# Altium PCB BLDC_DRIVER_1.1_auto.PcbDoc (part 2 of 3)
Units mm, origin at the board's own origin, x right, y up, seen from the top; angles counter-clockwise.
Board outline 152.4 x 126.75 mm, 4 copper layers (Top Layer, Signal Layer 1, Signal Layer 2, Bottom Layer), stack 0.847 mm thick; 192 components, 186 nets, 852 pads, 371 vias.
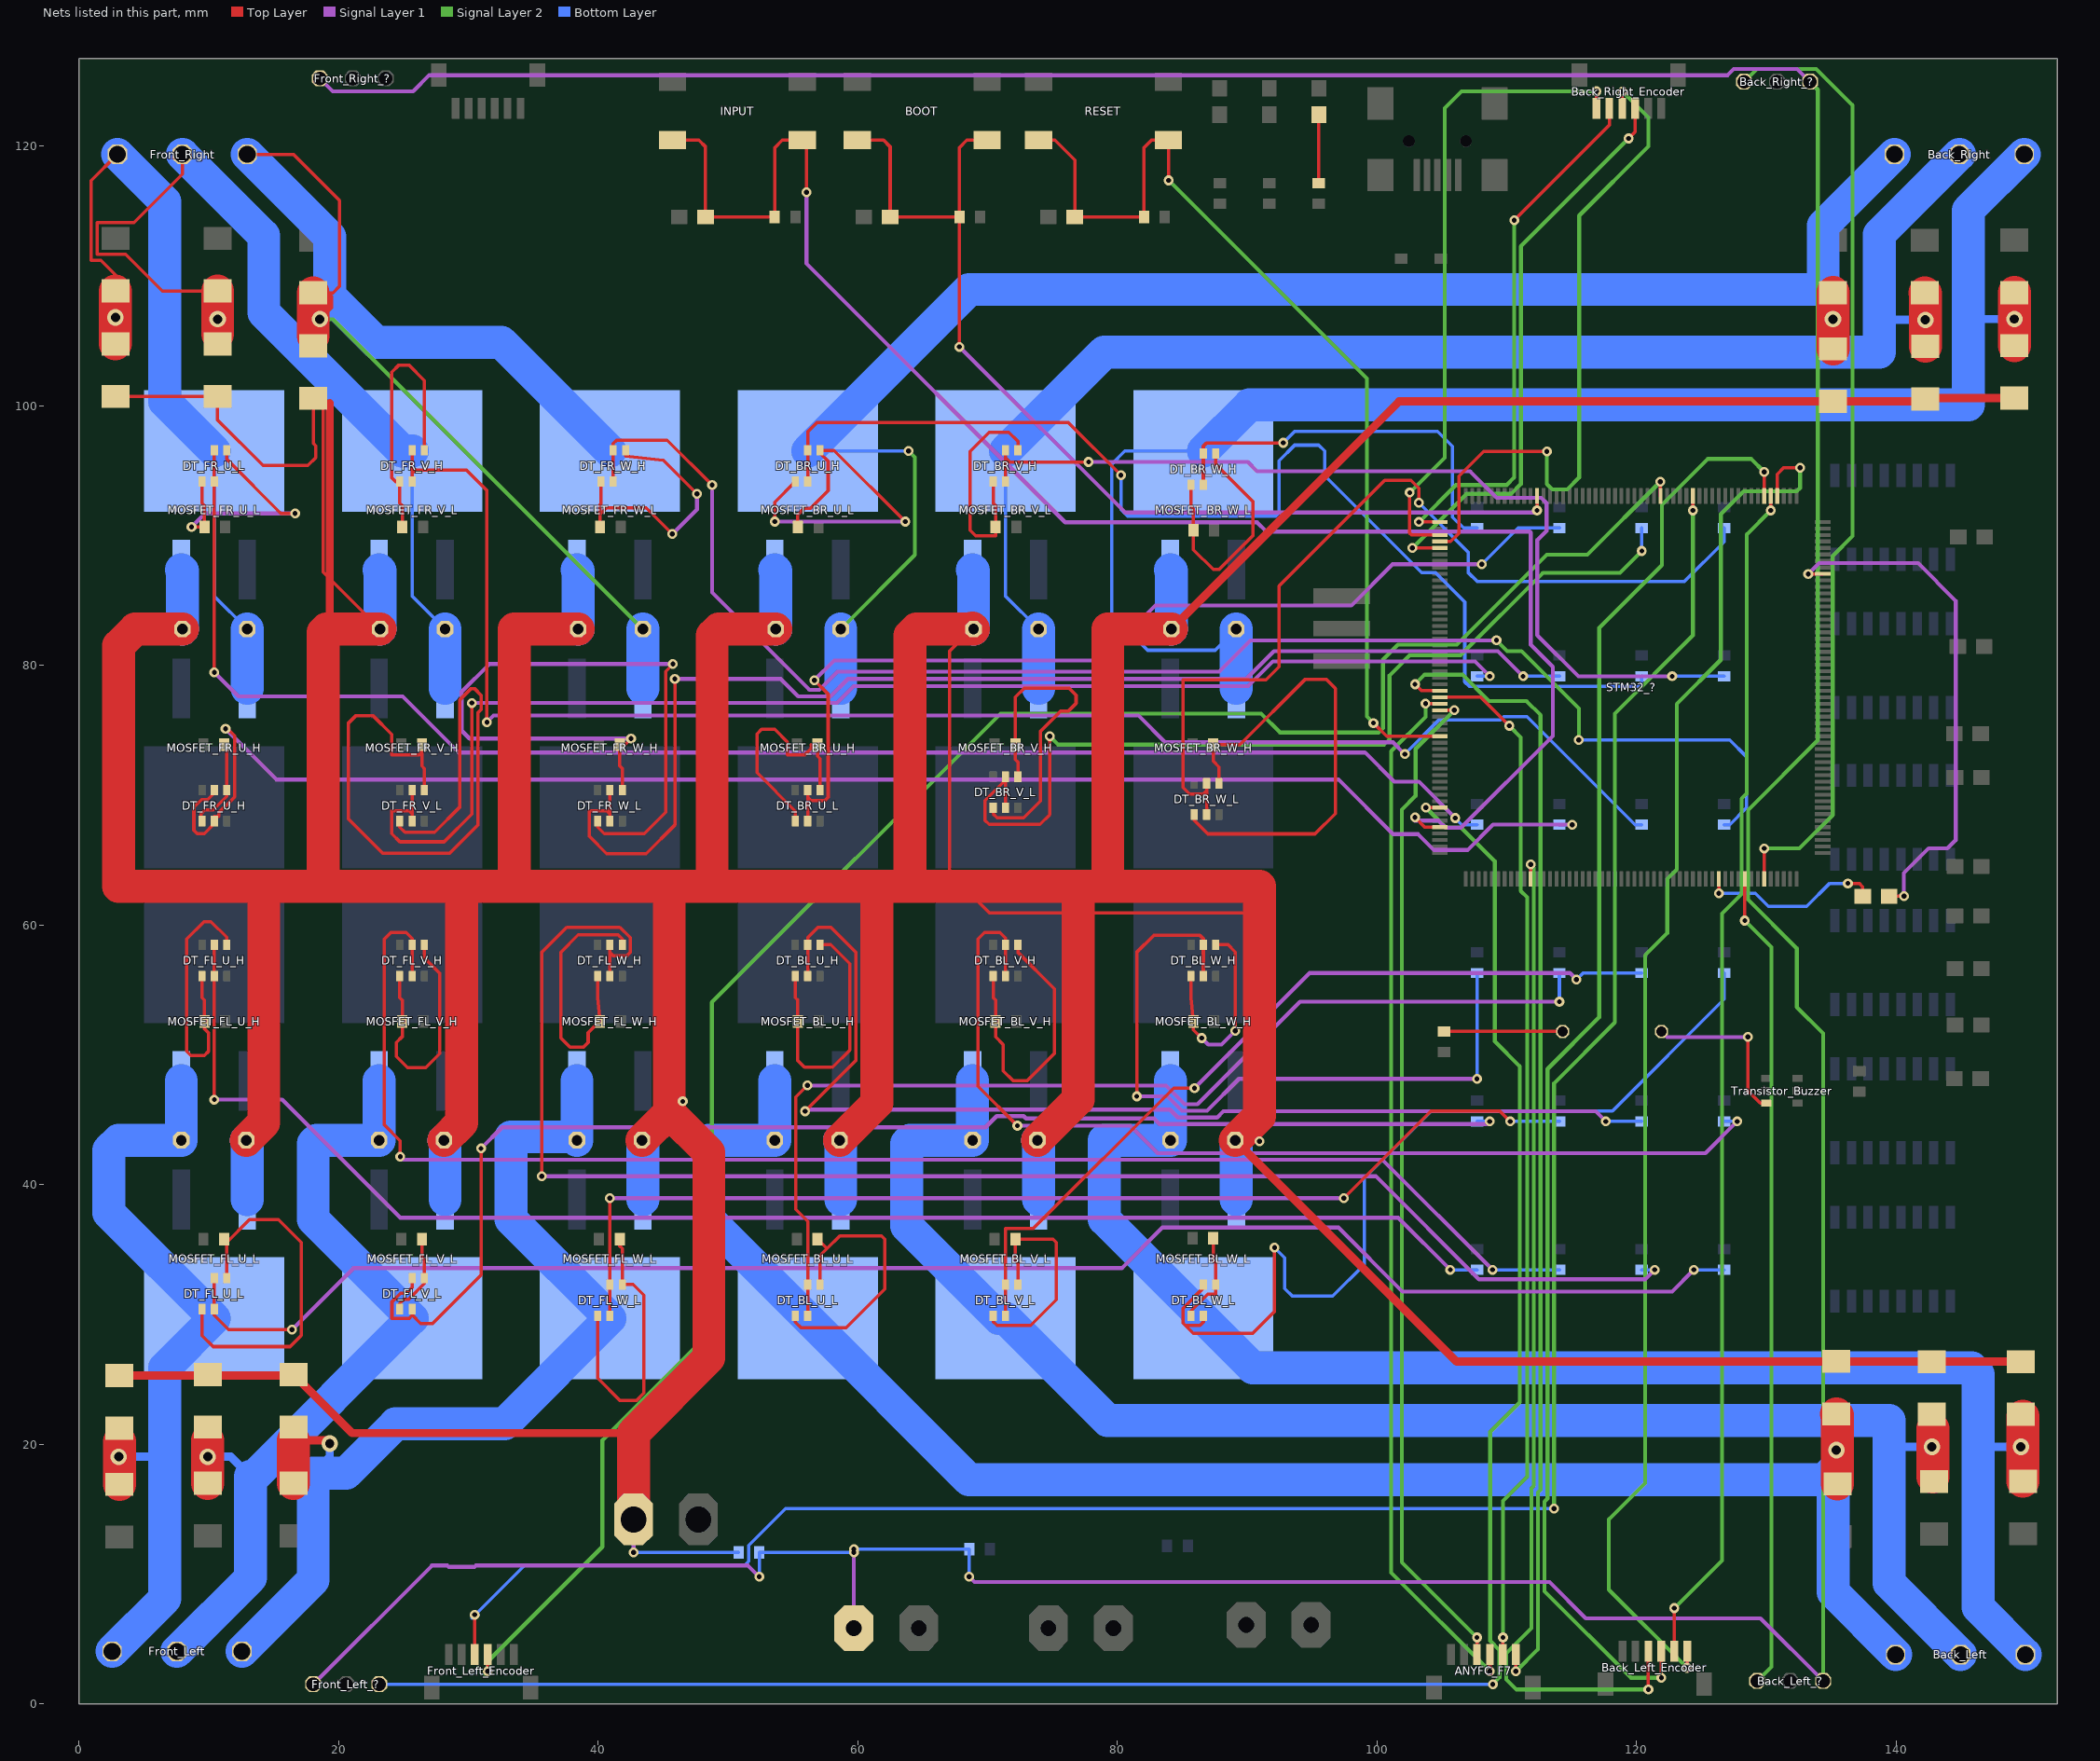
[diagram p4: the nets of this part, all layers, seen from the top]

## Via types
v1: diameter 0.762, hole 0.381, Top Layer to Bottom Layer, 350 vias
v2: diameter 1.27, hole 0.711, Top Layer to Bottom Layer, 11 vias
v3: diameter 4.064, hole 4.064, Top Layer to Bottom Layer, 4 vias
v4: diameter 1.27, hole 0.711, Top Layer to Bottom Layer, tented both sides, 3 vias
v5: diameter 1.5, hole 1.2, Top Layer to Bottom Layer, 2 vias
v6: diameter 2.54, hole 0.711, Top Layer to Bottom Layer, 1 vias

## Nets (pads, with @x,y where several pads share a name; then routed paths per layer and width w, separated by ;. In a path a pad name is that pad's centre, name@x,y a point inside that pad or via, vN(x,y) a via of type N, cw(c..) or ccw(c..) an arc to the next point about the centre after c; other vN are vias at no path point) (continued)
GND_MOTOR: C_BL_U.2 C_BL_V.2 C_BL_W.2 C_BR_U.2 C_BR_V.2 C_BR_W.2 C_FL_U.2 C_FL_V.2 C_FL_W.2 C_FR_U.2 C_FR_V.2 C_FR_W.2 MOSFET_BL_U_L.S MOSFET_BL_V_L.S MOSFET_BL_W_L.S MOSFET_BR_U_L.S MOSFET_BR_V_L.S MOSFET_BR_W_L.S MOSFET_FL_U_L.S MOSFET_FL_V_L.S MOSFET_FL_W_L.S MOSFET_FR_U_L.S MOSFET_FR_V_L.S MOSFET_FR_W_L.S MOTOR_Supply.1 R_GND_MOT_SERV.1 Schottky_diode_BL_U_L.1 Schottky_diode_BL_V_L.1 Schottky_diode_BL_W_L.1 Schottky_diode_BR_U_L.1 Schottky_diode_BR_V_L.1 Schottky_diode_BR_W_L.1 Schottky_diode_FL_U_L.1 Schottky_diode_FL_V_L.1 Schottky_diode_FL_W_L.1 Schottky_diode_FR_U_L.1 Schottky_diode_FR_V_L.1 Schottky_diode_FR_W_L.1 | length 860.5
  Top Layer w0.254: Schottky_diode_FR_U_L.1@2.794,100.725 Schottky_diode_FR_V_L.1@10.668,100.725 10.668,98.908 14.173,95.402 17.628,95.402 18.237,96.012 18.237,96.926 18.034,97.13 Schottky_diode_FR_W_L.1@18.034,100.584 18.288,100.584 Schottky_diode_FR_W_L.1@18.655,100.217 ; Schottky_diode_FL_V_L.1@9.906,25.386 Schottky_diode_FL_W_L.1@16.51,25.386 ; Schottky_diode_FR_W_L.1@18.796,100.076 18.796,87.202 19.304,86.694 ; 19.304,100.217 19.304,86.694 ; C_FR_V.2@23.194,82.804 19.304,86.694 ; v1(46.507,46.427) 46.507,60.147 44.704,61.951 21.819,61.951 19.304,64.465 19.304,83.058 19.304,86.694 ; C_BR_V.2@68.834,82.884 67.056,81.106 67.056,64.008 70.104,60.96 89.916,60.96 90.932,59.944 90.932,45.292 v1(90.932,43.354) ; Schottky_diode_BL_U_L.1@135.382,26.402 139.04,26.402 139.069,26.373 Schottky_diode_BL_V_L.1@142.743,26.373
  Top Layer w0.635: Schottky_diode_FL_U_L.1@3.102,25.299 16.423,25.299 Schottky_diode_FL_W_L.1@16.51,25.386 21.028,20.868 42.712,20.868 ; Schottky_diode_FR_W_L.1@18.655,100.217 Schottky_diode_FR_W_L.1@18.796,100.076 ; 18.796,82.55 19.05,82.804 19.304,83.058 19.304,100.217 ; C_BR_W.2@84.154,82.804 101.694,100.344 Schottky_diode_BR_U_L.1@135.128,100.344 142.045,100.344 Schottky_diode_BR_V_L.1@142.24,100.539 142.299,100.598 Schottky_diode_BR_W_L.1@149.098,100.598 ; C_BL_W.2@89.074,43.434 106.135,26.373 Schottky_diode_BL_V_L.1@142.743,26.373 Schottky_diode_BL_W_L.1@149.601,26.373
  Top Layer w2.54: C_FR_U.2@7.954,82.804 4.318,82.804 3.048,81.534 3.048,62.992 14.224,62.992 ; C_FL_U.2@12.874,43.434 14.224,44.784 14.224,62.992 ; 18.796,82.55 18.796,62.992 ; 19.05,82.804 C_FR_V.2@23.194,82.804 ; C_FL_V.2@28.114,43.434 29.464,44.784 29.464,62.992 ; C_FR_W.2@38.434,82.804 33.528,82.804 33.528,62.992 ; MOTOR_Supply.1@42.712,14.478 42.712,20.868 48.514,26.67 48.514,42.498 45.466,45.546 ; C_FL_W.2@43.354,43.434 45.466,45.546 ; C_BR_U.2@53.674,82.804 49.276,82.804 48.768,82.296 48.768,62.992 ; C_BL_U.2@58.594,43.434 61.468,46.308 61.468,62.992 ; C_BR_V.2@68.834,82.884 C_BR_V.2@68.914,82.804 64.516,82.804 64.008,82.296 64.008,62.992 ; C_BL_V.2@73.834,43.434 76.962,46.562 76.962,62.992 ; C_BR_W.2@84.154,82.804 79.248,82.804 79.248,62.992 ; C_BL_W.2@89.074,43.434 90.932,45.292 90.932,62.992 79.248,62.992 ; 14.224,62.992 18.796,62.992 ; 18.796,62.992 29.464,62.992 ; 29.464,62.992 33.528,62.992 ; 33.528,62.992 45.466,62.992 ; 45.466,45.546 45.466,62.992 ; 45.466,62.992 48.768,62.992 ; 48.768,62.992 61.468,62.992 ; 61.468,62.992 64.008,62.992 ; 64.008,62.992 76.962,62.992 ; 76.962,62.992 79.248,62.992
  Signal Layer 1 w0.305: v1(42.712,11.684) MOTOR_Supply.1@42.712,14.478
  Bottom Layer w0.254: v1(42.712,11.684) R_GND_MOT_SERV.1@50.8,11.684 ; C_FL_W.2@43.434,43.354 v1(46.507,46.427) ; C_BL_W.2@89.154,43.354 v1(90.932,43.354)
  Bottom Layer w2.54: MOSFET_FR_U_L.S@7.874,87.376 7.954,87.296 C_FR_U.2@7.954,82.804 ; C_FL_U.2@12.874,43.434 12.954,43.354 MOSFET_FL_U_L.S@12.954,38.862 ; MOSFET_FR_V_L.S@23.114,87.376 23.194,87.296 C_FR_V.2@23.194,82.804 ; C_FL_V.2@28.114,43.434 28.194,43.354 MOSFET_FL_V_L.S@28.194,38.862 ; MOSFET_FR_W_L.S@38.354,87.376 38.434,87.296 C_FR_W.2@38.434,82.804 ; MOSFET_FL_W_L.S@43.434,38.862 C_FL_W.2@43.434,43.354 ; MOSFET_BR_U_L.S@53.594,87.376 53.674,87.296 C_BR_U.2@53.674,82.804 ; C_BL_U.2@58.594,43.434 58.674,43.354 MOSFET_BL_U_L.S@58.674,38.862 ; MOSFET_BR_V_L.S@68.834,87.376 68.914,87.296 C_BR_V.2@68.914,82.804 ; C_BL_V.2@73.834,43.434 73.914,43.354 MOSFET_BL_V_L.S@73.914,38.862 ; MOSFET_BR_W_L.S@84.074,87.376 84.154,87.296 C_BR_W.2@84.154,82.804 ; MOSFET_BL_W_L.S@89.154,38.862 C_BL_W.2@89.154,43.354
GND_SERVO: Back_Left_?.1 Back_Right_?.1 Front_Left_?.1 Front_Right_?.1 R_GND_MOT_SERV.2 R_GND_SERV_5V.1 Servo_Supply.1 | length 378.4
  Signal Layer 1 w0.305: Front_Left_?.1@18.034,1.524 27.178,10.668 28.373,10.668 28.475,10.566 30.453,10.566 30.555,10.668 51.537,10.668 v1(52.4,9.804) ; Front_Right_?.1@18.542,125.222 19.533,124.231 25.73,124.231 26.975,125.476 127,125.476 127.483,125.959 132.359,125.959 Back_Right_?.1@133.35,124.968 ; Servo_Supply.1@59.69,5.842 v1(59.69,11.684) v1(59.69,11.938) ; v1(68.58,9.804) 68.986,9.398 113.284,9.398 116.078,6.604 129.54,6.604 Back_Left_?.1@134.366,1.778
  Signal Layer 2 w0.305: Back_Right_?.1@133.35,124.968 133.96,124.358 133.96,74.244 128.585,68.87 128.585,61.965 132.334,58.217 132.334,53.696 134.366,51.664 Back_Left_?.1@134.366,1.778
  Bottom Layer w0.254: v1(52.4,9.804) R_GND_MOT_SERV.2@52.4,11.684 v1(59.69,11.684) ; v1(59.69,11.938) R_GND_SERV_5V.1@68.58,11.938 v1(68.58,9.804)
NetANYFC_F7_3: ANYFC_F7.3 STM32_?.30 | length 77.9
  Top Layer w0.254: STM32_?.30@104.83,76.556 v1(105.943,76.556) ; ANYFC_F7.3@107.694,3.82 107.694,5.129 v1(107.696,5.131)
  Signal Layer 2 w0.305: v1(105.943,76.556) 102.972,73.584 102.972,69.964 101.905,68.897 101.905,10.922 v1(107.696,5.131)
NetANYFC_F7_4: ANYFC_F7.4 STM32_?.29 | length 81.2
  Top Layer w0.254: v1(103.734,77.056) STM32_?.29@104.83,77.056 ; v1(108.687,2.522) 108.694,2.529 ANYFC_F7.4@108.694,3.82
  Signal Layer 2 w0.305: v1(103.734,77.056) 103.734,76.042 101.092,73.4 101.092,10.117 v1(108.687,2.522)
NetANYFC_F7_5: ANYFC_F7.5 STM32_?.28 | length 79.2
  Top Layer w0.254: STM32_?.28@104.83,77.556 107.991,77.556 v1(110.185,75.362) ; ANYFC_F7.5@109.694,3.82 109.694,5.122 v1(109.703,5.131)
  Signal Layer 2 w0.305: v1(109.703,5.131) 109.703,15.646 111.569,17.513 111.569,62.141 111.074,62.636 111.074,74.473 v1(110.185,75.362)
NetANYFC_F7_6: ANYFC_F7.6 STM32_?.27 | length 89.1
  Top Layer w0.254: v1(102.919,78.56) 103.423,78.056 STM32_?.27@104.83,78.056 ; v1(110.693,2.519) ANYFC_F7.6@110.694,3.82
  Signal Layer 2 w0.305: v1(102.919,78.56) 103.657,79.299 106.578,79.299 108.61,77.267 111.506,77.267 112.598,76.175 112.598,16.51 112.395,16.307 112.395,4.22 v1(110.693,2.519)
NetB_1: B.1 R180_LED_B.2 | length 5.3
  Top Layer w0.254: R180_LED_B.2@95.504,117.17 B.1@95.504,122.428
NetBack_Left_1: Back_Left.1 C_BL_U.1 MOSFET_BL_U_H.S MOSFET_BL_U_L.D Schottky_diode_BL_U_H.1 Schottky_diode_BL_U_L.2 | length 134.6
  Top Layer w2.54: Schottky_diode_BL_U_L.2@135.382,22.352 135.474,22.26 Schottky_diode_BL_U_H.1@135.474,16.955
  Bottom Layer w0.635: 133.604,17.272 133.604,17.78 v2(135.382,19.558)
  Bottom Layer w2.54: MOSFET_BL_U_H.S@53.594,48.006 C_BL_U.1@53.594,43.434 48.514,43.434 48.514,37.332 MOSFET_BL_U_L.D@56.134,29.712 68.574,17.272 133.604,17.272 135.128,17.272 135.128,8.636 Back_Left.1@139.954,3.81
NetBack_Left_2: Back_Left.2 C_BL_V.1 MOSFET_BL_V_H.S MOSFET_BL_V_L.D Schottky_diode_BL_V_H.1 Schottky_diode_BL_V_L.2 | length 127.4
  Top Layer w0.254: Schottky_diode_BL_V_L.2@142.743,22.323 142.545,22.323 142.545,21.214 142.822,21.214 ; Schottky_diode_BL_V_H.1@142.822,17.486 142.928,17.486 Schottky_diode_BL_V_H.1@142.928,17.14
  Top Layer w2.54: Schottky_diode_BL_V_H.1@142.822,17.486 142.822,21.214
  Bottom Layer w0.635: 139.446,19.812 v2(142.748,19.812)
  Bottom Layer w2.54: MOSFET_BL_V_H.S@68.834,48.006 C_BL_V.1@68.834,43.434 64.008,43.434 63.754,43.18 63.754,36.83 70.872,29.712 MOSFET_BL_V_L.D@71.374,29.712 79.242,21.844 139.446,21.844 139.446,19.812 139.446,9.318 Back_Left.2@144.954,3.81
NetBack_Left_3: Back_Left.3 C_BL_W.1 MOSFET_BL_W_H.S MOSFET_BL_W_L.D Schottky_diode_BL_W_H.1 Schottky_diode_BL_W_L.2 | length 119.7
  Top Layer w0.254: Schottky_diode_BL_W_L.2@149.601,22.323 149.761,22.323 Schottky_diode_BL_W_L.2@149.761,22.163
  Top Layer w2.54: Schottky_diode_BL_W_H.1@149.761,17.16 Schottky_diode_BL_W_L.2@149.761,22.163
  Bottom Layer w0.635: 146.304,19.812 v2(149.606,19.812)
  Bottom Layer w2.54: MOSFET_BL_W_H.S@84.074,48.006 C_BL_W.1@84.074,43.434 78.994,43.434 78.994,37.332 MOSFET_BL_W_L.D@86.614,29.712 90.418,25.908 145.796,25.908 146.304,25.4 146.304,19.812 146.304,7.46 Back_Left.3@149.954,3.81
NetBack_Left_?_3: Back_Left_?.3 STM32_?.96 | length 63.1
  Top Layer w0.254: v1(128.33,60.35) STM32_?.96@128.33,63.556
  Signal Layer 2 w0.305: v1(128.33,60.35) 130.378,58.302 130.378,2.87 Back_Left_?.3@129.286,1.778
NetBack_Left_Encoder_3: Back_Left_Encoder.3 STM32_?.63 | length 79.1
  Top Layer w0.254: STM32_?.63@111.83,63.556 111.83,64.662 v1(111.836,64.668) ; v1(120.902,1.118) Back_Left_Encoder.3@120.902,4.074
  Signal Layer 2 w0.305: v1(111.836,64.668) 112.078,64.427 112.078,16.815 111.887,16.624 111.887,5.842 109.957,3.912 109.957,1.905 110.744,1.118 v1(120.902,1.118)
NetBack_Left_Encoder_4: Back_Left_Encoder.4 STM32_?.162 | length 112.9
  Top Layer w0.254: v1(121.902,2.029) Back_Left_Encoder.4@121.902,4.074 ; STM32_?.162@129.83,93.056 v1(129.83,94.909)
  Signal Layer 2 w0.305: v1(121.902,2.029) 119.56,2.029 112.903,8.687 112.903,15.596 113.132,15.824 113.132,48.92 117.119,52.908 117.119,82.906 121.943,87.729 121.943,92.378 125.476,95.91 128.829,95.91 v1(129.83,94.909)
NetBack_Left_Encoder_5: Back_Left_Encoder.5 STM32_?.161 | length 92.1
  Top Layer w0.254: Back_Left_Encoder.5@122.902,4.074 v1(122.902,7.391) ; v1(130.327,91.948) 130.33,91.951 STM32_?.161@130.33,93.056
  Signal Layer 2 w0.305: v1(122.902,7.391) 126.568,11.058 126.568,60.884 128.077,62.393 128.077,69.748 128.473,70.144 128.473,90.094 v1(130.327,91.948)
NetBack_Left_Encoder_6: Back_Left_Encoder.6 STM32_?.160 | length 108.4
  Top Layer w0.254: v1(123.876,2.794) 123.902,2.82 Back_Left_Encoder.6@123.902,4.074 ; STM32_?.160@130.83,93.056 130.83,94.742 131.313,95.225 v1(132.588,95.225)
  Signal Layer 2 w0.305: v1(123.876,2.794) 117.856,8.814 117.856,14.224 120.65,17.018 120.65,57.683 122.352,59.385 122.352,63.551 123.088,64.287 123.088,77.038 126.492,80.442 126.492,91.669 128.245,93.421 132.334,93.421 132.588,93.675 v1(132.588,95.225)
NetBack_Right_1: Back_Right.1 C_BR_W.1 MOSFET_BR_W_H.S MOSFET_BR_W_L.D Schottky_diode_BR_W_H.1 Schottky_diode_BR_W_L.2 | length 124.2
  Top Layer w2.54: Schottky_diode_BR_W_L.2@149.098,104.648 v2(149.098,106.687) Schottky_diode_BR_W_H.1@149.098,108.726
  Bottom Layer w0.254: MOSFET_BR_W_L.D@86.614,96.526 80.575,96.526 79.553,95.504 79.553,83.947 82.321,81.178 87.528,81.178 C_BR_W.1@89.154,82.804
  Bottom Layer w0.635: 145.542,106.68 145.549,106.687 v2(149.098,106.687)
  Bottom Layer w2.54: MOSFET_BR_W_L.D@86.614,96.526 90.164,100.076 145.542,100.076 145.542,106.68 145.542,115.062 Back_Right.1@149.86,119.38 ; MOSFET_BR_W_H.S@89.154,78.232 C_BR_W.1@89.154,82.804
NetBack_Right_2: Back_Right.2 C_BR_V.1 MOSFET_BR_V_H.S MOSFET_BR_V_L.D Schottky_diode_BR_V_H.1 Schottky_diode_BR_V_L.2 | length 130.5
  Top Layer w2.54: Schottky_diode_BR_V_H.1@142.194,108.713 142.24,108.667 v2(142.24,106.628) Schottky_diode_BR_V_L.2@142.24,104.589
  Bottom Layer w0.254: MOSFET_BR_V_L.D@71.374,96.526 71.374,85.344 C_BR_V.1@73.914,82.804 ; 138.736,106.628 138.736,113.256 Back_Right.2@144.86,119.38
  Bottom Layer w0.635: 138.736,106.628 v2(142.24,106.628)
  Bottom Layer w2.54: MOSFET_BR_V_L.D@71.374,96.526 78.988,104.14 138.684,104.14 138.684,113.204 Back_Right.2@144.86,119.38 ; MOSFET_BR_V_H.S@73.914,78.232 C_BR_V.1@73.914,82.804
NetBack_Right_3: Back_Right.3 C_BR_U.1 MOSFET_BR_U_H.S MOSFET_BR_U_L.D Schottky_diode_BR_U_H.1 Schottky_diode_BR_U_L.2 | length 131.6
  Top Layer w2.54: Schottky_diode_BR_U_L.2@135.128,104.394 v2(135.128,106.68) Schottky_diode_BR_U_H.1@135.128,108.726
  Signal Layer 2 w0.305: C_BR_U.1@58.674,82.804 64.389,88.519 64.389,96.037 v1(63.9,96.526)
  Bottom Layer w0.254: MOSFET_BR_U_L.D@56.134,96.526 v1(63.9,96.526)
  Bottom Layer w0.635: 134.366,108.966 134.366,107.442 v2(135.128,106.68)
  Bottom Layer w2.54: MOSFET_BR_U_L.D@56.134,96.526 68.574,108.966 134.366,108.966 134.366,113.886 Back_Right.3@139.86,119.38 ; MOSFET_BR_U_H.S@58.674,78.232 C_BR_U.1@58.674,82.804
NetBack_Right_?_3: Back_Right_?.3 STM32_?.99 | length 73.9
  Top Layer w0.254: STM32_?.99@129.83,63.556 v1(129.83,65.913)
  Signal Layer 2 w0.305: Back_Right_?.3@128.27,124.968 129.261,125.959 133.833,125.959 136.627,123.165 136.627,89.967 135.103,88.443 135.103,68.478 132.537,65.913 v1(129.83,65.913)
NetBack_Right_Encoder_3: Back_Right_Encoder.3 STM32_?.5 | length 45.1
  Top Layer w0.254: v1(102.718,89.052) 102.721,89.056 STM32_?.5@104.83,89.056 ; v1(119.382,120.601) 119.89,121.109 Back_Right_Encoder.3@119.89,122.926
  Signal Layer 2 w0.305: v1(102.718,89.052) 106.883,93.218 110.313,93.218 111.075,93.98 111.075,112.294 v1(119.382,120.601)
NetBack_Right_Encoder_4: Back_Right_Encoder.4 STM32_?.4 | length 53.3
  Top Layer w0.254: STM32_?.4@104.83,89.556 105.664,89.556 106.299,90.191 106.299,94.59 108.204,96.495 v1(113.081,96.495) ; Back_Right_Encoder.4@118.89,122.926 118.89,124.179 v1(118.92,124.209)
  Signal Layer 2 w0.305: v1(113.081,96.495) 113.081,93.98 113.487,93.574 114.656,93.574 115.57,94.488 115.57,114.656 120.904,119.99 120.904,122.225 v1(118.92,124.209)
NetBack_Right_Encoder_5: Back_Right_Encoder.5 STM32_?.1 | length 41.8
  Top Layer w0.254: v1(103.226,91.059) 103.229,91.056 STM32_?.1@104.83,91.056 ; v1(110.567,114.292) 117.89,121.615 Back_Right_Encoder.5@117.89,122.926
  Signal Layer 2 w0.305: v1(103.226,91.059) 106.071,93.904 109.983,93.904 110.567,94.488 v1(110.567,114.292)
NetBack_Right_Encoder_6: Back_Right_Encoder.6 STM32_?.3 | length 49.8
  Top Layer w0.254: v1(102.514,93.32) 102.514,90.196 102.654,90.056 STM32_?.3@104.83,90.056 ; Back_Right_Encoder.6@116.89,122.926 v1(116.891,124.231)
  Signal Layer 2 w0.305: v1(102.514,93.32) 105.207,96.012 105.207,122.936 106.502,124.231 v1(116.891,124.231)
NetBOOT_1: BOOT.1 BOOT.2 C100n_BOOT.1 R10k_BOOT.1 STM32_?.197 | length 82.2
  Top Layer w0.254: BOOT.2@59.944,120.468 61.976,120.468 62.484,119.96 C100n_BOOT.1@62.484,114.554 R10k_BOOT.1@67.818,114.554 ; v1(67.818,104.546) R10k_BOOT.1@67.818,114.554 ; BOOT.1@69.944,120.468 68.398,120.468 67.818,119.888 R10k_BOOT.1@67.818,114.554 ; v1(112.319,91.948) 112.33,91.959 STM32_?.197@112.33,93.056
  Signal Layer 1 w0.305: v1(67.818,104.546) 80.569,91.796 112.166,91.796 v1(112.319,91.948)
NetBuzzer_1: Buzzer.1 Transistor_Buzzer.6 | length 12.8
  Top Layer w0.254: v1(128.575,51.384) 128.575,47.244 129.525,46.294 Transistor_Buzzer.6@129.99,46.294
  Signal Layer 1 w0.305: Buzzer.1@121.9,51.816 122.332,51.384 v1(128.575,51.384)
NetBuzzer_2: Buzzer.2 R_Buzzer.1 | length 9.1
  Top Layer w0.254: R_Buzzer.1@105.156,51.816 Buzzer.2@114.3,51.816
NetC2u2-ESRmax2_1: C2u2-ESRmax2.1 STM32_?.148 | length 40.4
  Top Layer w0.254: v1(133.223,87.046) 133.233,87.056 STM32_?.148@134.33,87.056 ; C2u2-ESRmax2.1@139.446,62.23 v1(140.589,62.23)
  Signal Layer 1 w0.305: v1(133.223,87.046) 134.061,87.884 141.681,87.884 144.577,84.988 144.577,66.548 143.942,65.913 142.494,65.913 140.589,64.008 v1(140.589,62.23)
NetC2u2-ESRmax2_2: C2u2-ESRmax2.2 STM32_?.92 | length 14.2
  Top Layer w0.254: v1(126.33,62.459) STM32_?.92@126.33,63.556 ; v1(136.271,63.221) 137.16,63.221 137.414,62.967 C2u2-ESRmax2.2@137.414,62.23
  Bottom Layer w0.254: v1(126.33,62.459) 129.134,62.459 130.15,61.443 133.096,61.443 134.874,63.221 v1(136.271,63.221)
NetC100n_IN_1: C100n_IN.1 INPUT.1 INPUT.2 R10k_IN.1 STM32_?.48 | length 128
  Top Layer w0.254: INPUT.2@45.72,120.468 47.752,120.468 48.26,119.96 C100n_IN.1@48.26,114.554 R10k_IN.1@53.594,114.554 53.594,119.888 54.174,120.468 INPUT.1@55.72,120.468 56.032,120.468 v1(56.032,116.46) ; v1(102.921,68.301) 103.665,67.556 STM32_?.48@104.83,67.556
  Signal Layer 1 w0.305: v1(56.032,116.46) 56.032,110.973 75.971,91.034 90.754,91.034 91.465,90.322 111.76,90.322 111.836,90.246 111.836,81.61 113.538,79.908 113.538,74.574 106.477,67.513 105.283,67.513 104.75,68.047 102.921,68.047 v1(102.921,68.301)
NetC100n_RST_1: C100n_RST.1 R10k_RST.1 RESET.1 RESET.2 STM32_?.34 | length 77.6
  Top Layer w0.254: RESET.2@73.914,120.468 75.184,120.468 76.708,118.944 C100n_RST.1@76.708,114.554 R10k_RST.1@82.042,114.554 82.042,119.888 82.622,120.468 RESET.1@83.914,120.468 83.947,120.468 v1(83.947,117.373) ; v1(99.72,75.572) 100.736,74.556 STM32_?.34@104.83,74.556